# Altium PCB Z693_H93-A_KD01_V1.3_X6.PcbDoc (part 6 of 7) (continued)
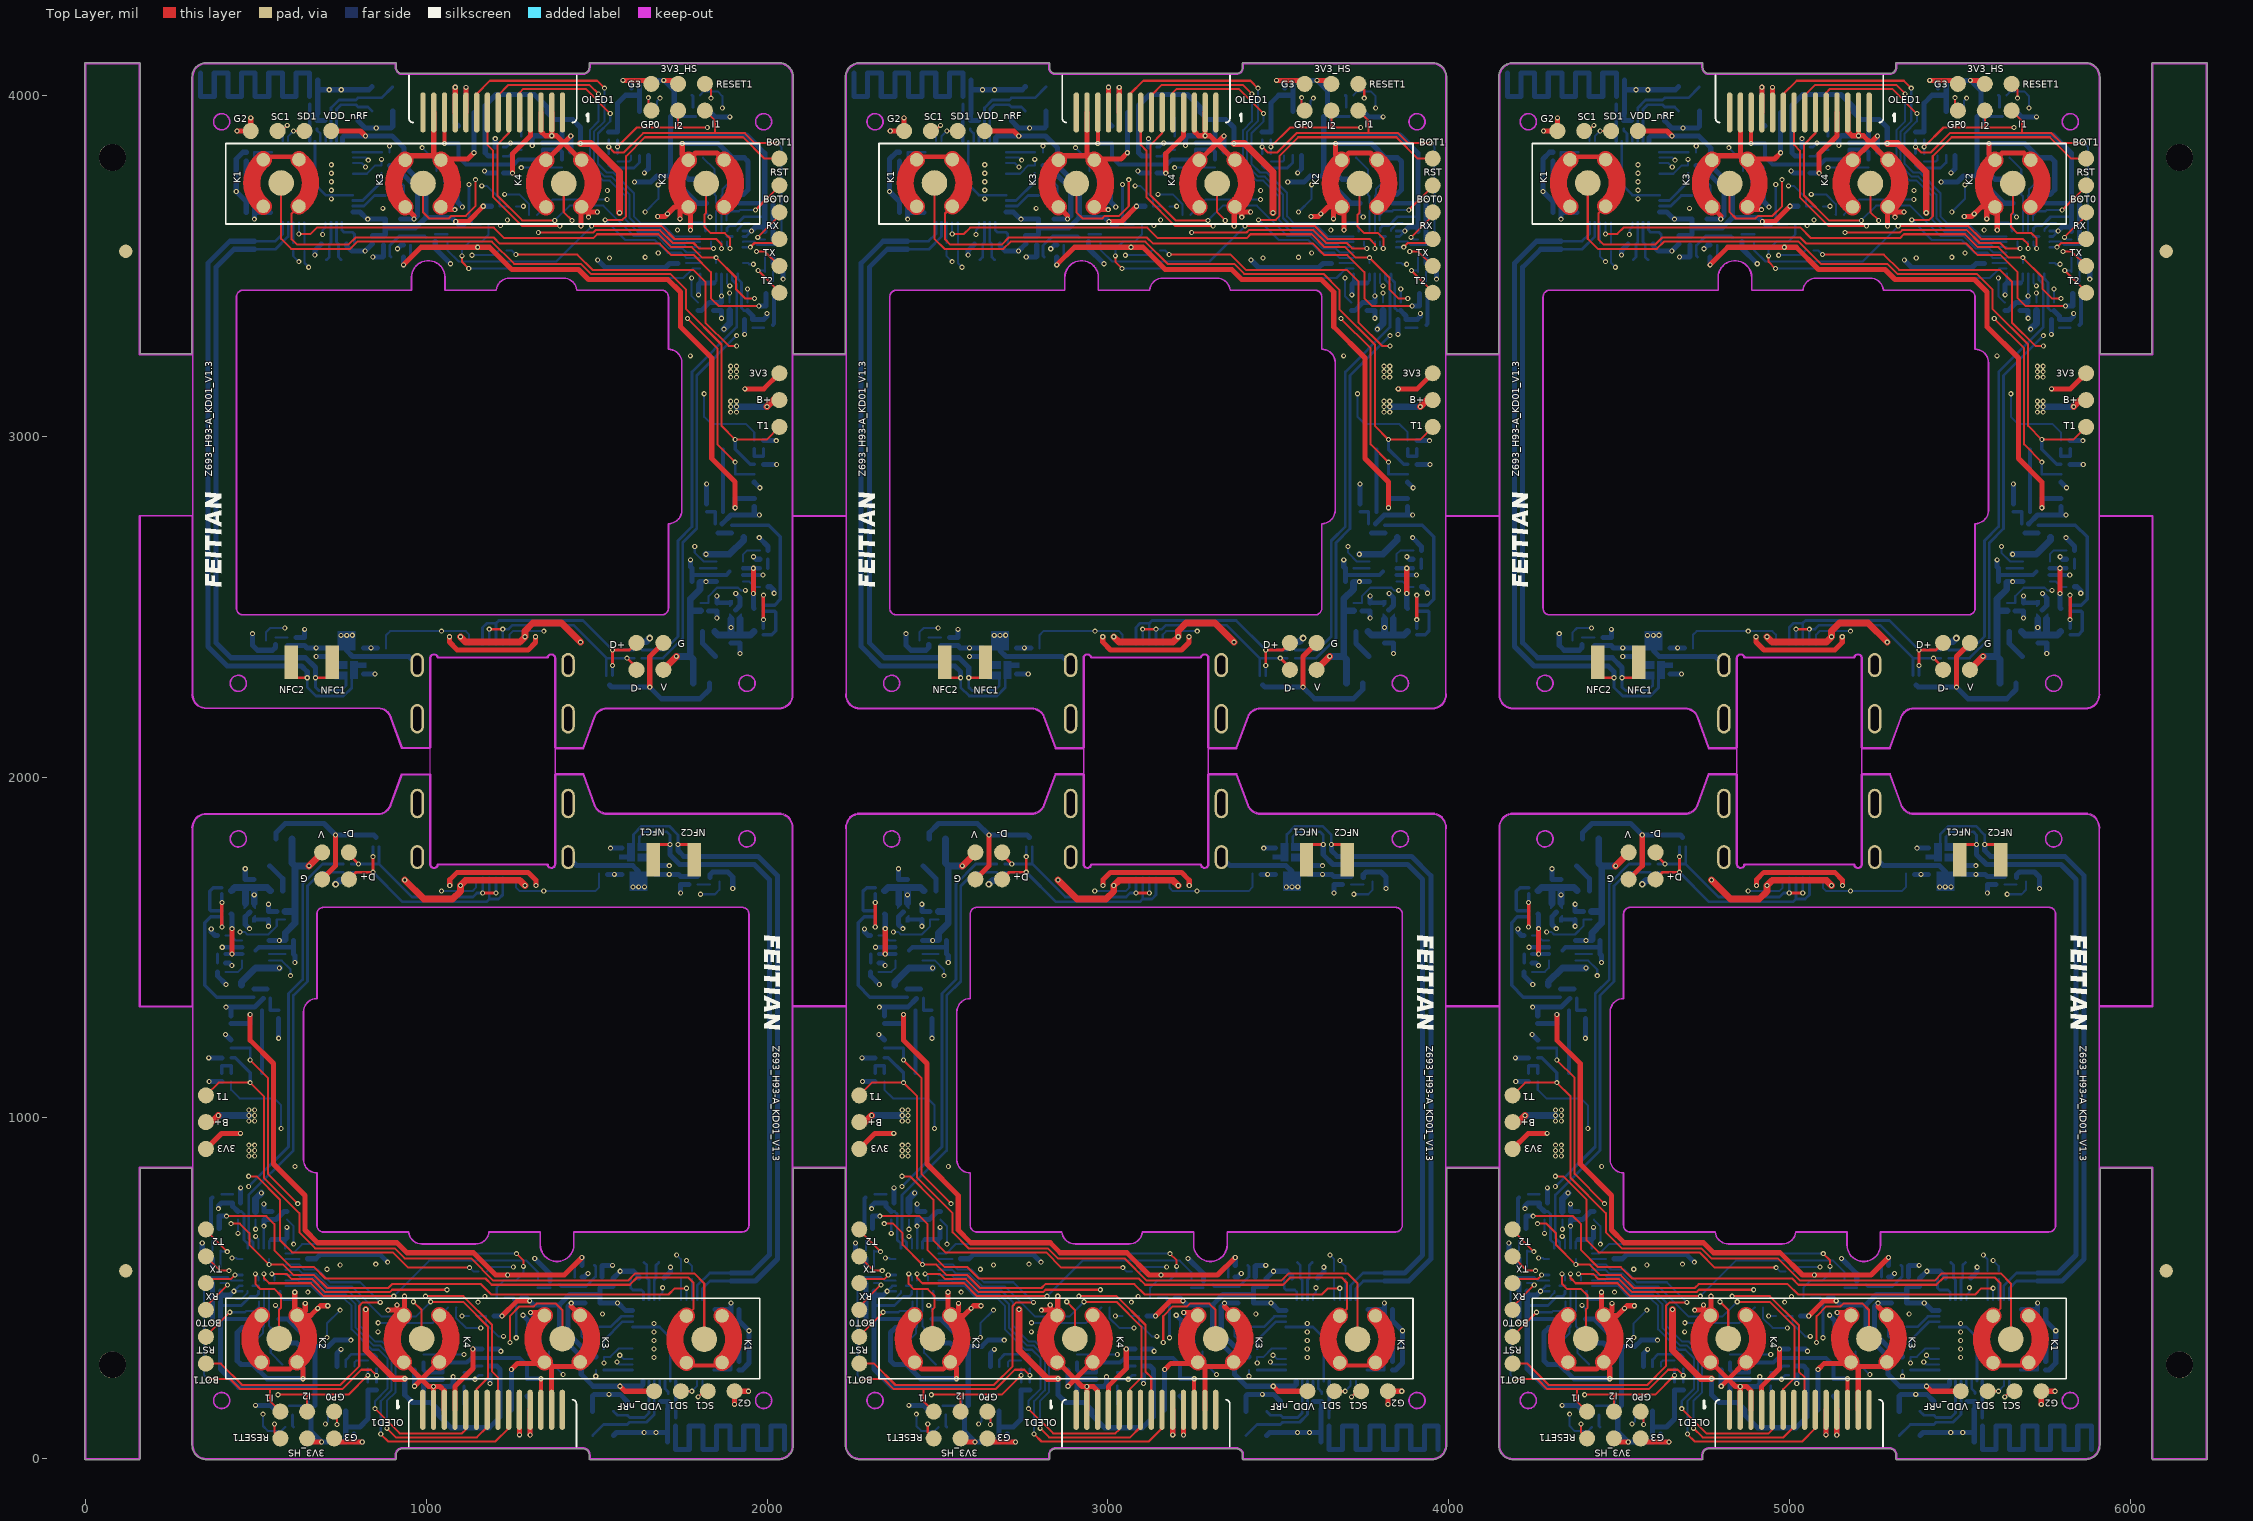
[diagram p0: Top Layer view]
## Nets (pads, with @x,y where several pads share a name; then routed paths per layer and width w, separated by ;. In a path a pad name is that pad's centre, name@x,y a point inside that pad or via, vN(x,y) a via of type N, cw(c..) or ccw(c..) an arc to the next point about the centre after c; other vN are vias at no path point) (continued)
3568.98,3824.4 ; 3589.37,1714.92 v1(3630.27,1714.92) 3657.31,1714.92 3663.96,1708.27 3688.58,1708.27 3713.66,1708.27 ; 3589.37,1766.1 3589.37,1740.51 v1(3630.27,1740.51) ; 3604.58,167.47 3627.58,167.47 3627.58,145.86 ; 3615.21,530.1 3634.13,549.02 v1(3634.13,561.88) ; 3625.58,49.1 3625.58,74.02 3625.58,77.02 ; 3625.58,145.86 3625.58,141.99 3625.58,77.02 ; v1(3632.35,1802.56) 3632.35,1772.65 3661.13,1743.88 3880.13,1743.88 3924.13,1699.88 3924.13,597.88 3871.35,545.1 3837.58,545.1 3811.58,545.1 ; 3633.73,3938.89 3633.73,3904.89 3633.73,3884.62 ; 3649.21,96.36 3649.21,74.02 3649.21,49.1 3649.21,27.56 3689.21,27.56 3689.21,96.36 3729.21,96.36 3729.21,27.56 3769.21,27.56 3769.21,96.36 3809.21,96.36 3809.21,27.56 3849.21,27.56 3849.21,96.36 3889.21,96.36 3889.21,27.56 3929.21,27.56 3929.21,96.36 3969.21,96.36 3969.21,27.56 ; v1(3656.21,1802.56) 3656.21,1784.8 3673.13,1767.88 3891.13,1767.88 3948.13,1710.88 3948.13,586.02 3883.58,521.47 3837.58,521.47 3811.58,521.47 ; v1(3663.96,1660.47) 3663.96,1684.65 3688.58,1684.65 ; v1(3692.69,2637.93) 3692.69,2617.74 3697.2,2613.24 3697.2,2573.87 ; 3715.33,3369.21 3724.49,3369.21 3748.11,3392.84 3760.24,3392.84 3783.83,3392.84 v1(3783.83,3411.93) ; v1(3716.32,3415.62) 3716.32,3446.1 3720.84,3450.62 3761.08,3450.62 ; 3720.69,3965.95 3736.95,3965.95 3764.97,3937.93 v1(3808.21,3937.93) ; 3720.82,2573.87 v1(3738.21,2573.87) 3768.46,2573.87 ; 3728.4,2427.79 3728.4,2392.5 3766.28,2354.62 ; 3739.82,3684.52 3713.83,3684.52 3633.73,3764.62 ; 3739.82,3709.9 3729.21,3720.51 3729.21,3754.9 3686.94,3754.9 3668.69,3773.14 v1(3668.69,3859.84) 3773.87,3859.84 3815.82,3817.89 3850.74,3817.89 3861.69,3806.93 3861.69,3723.93 3847.66,3709.9 3810.44,3709.9 3810.44,3684.52 ; 3740.28,2802.24 v1(3740.28,2860.62) ; 3745.83,2488.29 3770.08,2488.29 v1(3770.08,2467.32) ; 3749.9,1705.36 3749.9,1713.65 3758.13,1721.88 3802.13,1721.88 3816.72,1707.29 v1(3816.72,1673.23) ; 3760.24,3369.21 3783.83,3369.21 v1(3783.83,3346.8) ; 3764.49,437.71 3811.68,437.71 ; 3770.08,2511.91 v1(3770.08,2531.93) ; 3773.97,2716.12 3812.97,2716.12 ; 3785.61,2743.68 3811.34,2769.4 3879.83,2769.4 ; v1(3811.68,456.71) 3811.68,437.71 ; 3812.17,2394.17 3838.28,2394.17 v1(3838.28,2363.18) ; v1(3823.83,2790.93) 3823.83,2817.4 3879.83,2817.4 ; 3824.64,2490.26 3838.18,2503.8 3838.18,2526.44 v1(3825.69,2538.93) ; 3835.3,260.48 3844.64,260.48 3864.72,280.56 v1(3864.72,375.56) 3835.3,404.98 3835.3,437.71 ; 3835.3,286.1 3835.3,362.46 3811.68,386.09 3811.68,437.71 ; v1(3851.69,3299.65) 3851.69,3318.65 3851.69,3343.65 ; 3859.83,3369.21 3875.32,3353.73 3875.32,3343.65 3907.28,3343.65 ; v1(3871.83,3602.88) 3883.56,3614.62 3910.83,3614.62 ; v1(3877.27,2538.95) 3877.27,2497.54 3879.27,2495.54 ; v1(3877.69,2646.93) 3885.04,2639.58 3896.02,2639.58 ; 3879.83,2794.4 3879.83,2769.4 ; 3879.83,2865.77 v1(3896.18,2849.42) ; v1(3893.28,3382.62) 3914.66,3382.62 3914.66,3419.14 ; v1(3894.69,2702.93) 3920.2,2677.43 3920.2,2665.92 ; v1(3894.83,2769.4) 3879.83,2769.4 ; 3907.06,2917.96 v1(3945.57,2917.96) ; 3907.06,2987.62 v1(3944.28,2987.62) ; 3908.35,3343.65 3917.32,3352.62 v1(3917.32,3360.62) ; 3910.83,3602.14 3910.83,3614.62 ; 3920.2,2558.87 3927.26,2558.87 3938.19,2547.93 v1(3938.19,2539.93) ; 3934.45,3531.49 3934.45,3507.4 3949.78,3507.4 3964.57,3492.62 v1(3964.57,3461.62) ; 3934.45,3578.4 3934.45,3602.14 3934.45,3625.4 3934.45,3649.4 v1(3934.45,3692.18) ; 4172.53,4066.93 4172.53,3998.13 4212.53,3998.13 4212.53,4066.93 4252.53,4066.93 4252.53,3998.13 4292.53,3998.13 4292.53,4066.93 4332.53,4066.93 4332.53,3998.13 4372.53,3998.13 4372.53,4066.93 4412.53,4066.93 4412.53,3998.13 4452.53,3998.13 4452.53,4066.93 4492.53,4066.93 4492.53,4045.4 4492.53,4020.47 4492.53,3998.13 ; v1(4177.17,632.88) 4177.17,601.88 4191.95,587.09 4207.29,587.09 4207.29,563 ; v1(4196.17,1176.53) 4234.67,1176.53 ; v1(4197.45,1106.88) 4234.67,1106.88 ; v1(4203.54,1554.56) 4203.54,1546.56 4214.48,1535.62 4221.54,1535.62 ; v1(4207.29,402.32) 4207.29,445.1 4207.29,469.1 4207.29,492.36 4207.29,516.1 ; 4221.54,1428.57 4221.54,1417.06 v1(4247.04,1391.56) ; v1(4224.42,733.88) 4224.42,741.88 4233.39,750.84 ; 4227.07,675.35 4227.07,711.88 v1(4248.45,711.88) ; 4230.91,492.36 4230.91,479.88 ; 4234.45,750.84 4266.42,750.84 4266.42,740.76 4281.91,725.28 ; v1(4245.55,1245.07) 4261.91,1228.72 ; 4245.72,1454.91 4256.69,1454.91 v1(4264.04,1447.56) ; v1(4246.91,1325.09) 4261.91,1325.09 ; 4261.91,1277.1 4317.91,1277.1 v1(4317.91,1303.56) ; 4261.91,1300.1 4261.91,1325.09 ; 4262.47,1598.95 4264.47,1596.95 v1(4264.47,1555.54) ; v1(4269.91,491.61) 4258.18,479.88 4230.91,479.88 ; 4290.04,750.84 4290.04,775.84 v1(4290.04,794.84) ; v1(4303.45,1731.31) 4303.45,1700.32 4329.57,1700.32 ; 4306.44,3656.78 4306.44,3689.51 v1(4277.02,3718.93) 4277.02,3813.93 4297.1,3834.01 4306.44,3834.01 ; 4306.44,3808.4 4306.44,3732.03 4330.06,3708.4 4330.06,3656.78 ; v1(4316.04,1555.56) 4303.55,1568.05 4303.55,1590.69 4317.1,1604.23 ; v1(4325.02,2421.26) 4325.02,2387.21 4339.61,2372.62 4383.61,2372.62 4391.84,2380.84 4391.84,2389.13 ; 4328.77,1378.37 4367.77,1378.37 ; v1(4330.06,3637.78) 4330.06,3656.78 ; 4330.15,3549.4 4304.15,3549.4 4270.39,3549.4 4217.61,3496.62 4217.61,2394.62 4261.61,2350.62 4480.61,2350.62 4509.39,2321.84 v1(4509.39,2291.93) ; 4330.15,3573.02 4304.15,3573.02 4258.15,3573.02 4193.61,3508.47 4193.61,2383.62 4250.61,2326.62 4468.61,2326.62 4485.53,2309.69 v1(4485.53,2291.93) ; 4331.29,409.97 4331.29,384.59 4294.07,384.59 4280.04,370.56 4280.04,287.56 4291,276.6 4325.92,276.6 4367.87,234.65 v1(4473.04,234.65) 4473.04,321.35 4454.8,339.59 4412.53,339.59 4412.53,373.98 4401.92,384.59 ; v1(4333.53,156.56) 4376.77,156.56 4404.79,128.54 4421.05,128.54 ; 4356.13,1350.81 4330.4,1325.09 4261.91,1325.09 ; v1(4357.91,682.56) 4357.91,701.65 4381.5,701.65 4393.63,701.65 4417.25,725.28 4426.4,725.28 ; v1(4357.91,747.69) 4357.91,725.28 4381.5,725.28 ; v1(4371.66,1562.56) 4371.66,1582.58 ; v1(4371.66,1627.17) 4371.66,1606.2 4395.91,1606.2 ; 4373.28,1520.62 v1(4403.53,1520.62) 4420.92,1520.62 ; 4375.45,1739.88 4413.34,1701.99 4413.34,1666.7 ; 4377.25,3656.78 4330.06,3656.78 ; 4380.66,643.88 4420.9,643.88 4425.42,648.4 v1(4425.42,678.88) ; 4393.45,1818.88 4393.45,1836.88 4420.75,1864.17 4534.59,1864.17 v1(4568.53,1830.24) 4680.47,1830.24 4687.05,1823.65 ; v1(4401.45,1233.88) 4401.45,1292.25 ; 4401.92,409.97 4427.91,409.97 4508,329.87 ; 4428.07,2386.22 4453.15,2386.22 4477.77,2386.22 4484.43,2379.57 v1(4511.47,2379.57) 4552.37,2379.57 ; 4444.54,1520.62 4444.54,1481.25 4449.04,1476.75 v1(4449.04,1456.56) ; 4453.15,2409.84 4477.77,2409.84 v1(4477.77,2434.02) ; 4485.9,586.85 4510.42,586.85 4522.45,598.88 4699.42,598.88 v1(4721.42,576.88) ; 4496.62,128.04 4496.62,80.28 v1(4527.56,49.34) 4598.77,49.34 ; v1(4507.61,3532.62) 4507.61,3545.47 4526.53,3564.4 ; 4508,155.6 4508,189.6 4508,209.88 ; v1(4511.47,2353.98) 4552.37,2353.98 4552.37,2328.39 ; 4514.15,3948.63 4514.15,3927.02 4537.15,3927.02 ; 4516.15,3948.63 4516.15,3952.51 4516.15,4017.47 ; 4516.15,4045.4 4516.15,4020.47 4516.15,4017.47 ; 4572.76,270.1 4572.76,309.18 v1(4584.45,320.88) ; 4588.52,3866.49 4588.52,3876.92 4593.53,3881.93 v1(4656.03,3881.93) 4731.53,3881.93 4734.53,3881.93 4769.53,3846.93 4769.53,3795.4 ; 4598.5,49.61 4598.5,93.1 ; 4598.5,140.17 4598.5,93.1 ; 4600.77,3564.4 4600.77,3559.91 4616.48,3544.2 4624.15,3544.2 v1(4655.42,3544.2) 4676.53,3565.31 ; 4601.18,2371.3 4618.51,2353.98 4650,2353.98 4716.95,2353.98 4717.15,2353.77 4783.55,2353.77 4808.21,2329.12 ; v1(4613.42,347.88) 4565.45,347.88 4547.45,329.87 4508,329.87 ; 4619.25,3659.03 4640.18,3659.03 v1@4661.42,3637.78 ; 4622.39,72.1 4622.39,49.34 v1(4646.78,49.34) ; 4634.64,3943.23 4634.64,3926.31 4655.4,3905.55 4731.53,3905.55 4736.2,3910.23 4736.2,3955.39 ; 4650,2302.8 v1(4683.88,2302.8) ; 4650,2379.57 v1(4672.53,2379.57) 4692,2379.57 ; v1(4662.92,3637.78) 4714.25,3637.78 4714.25,3612.62 ; 4675.09,4026.32 4666.24,4017.47 4634.64,4017.47 4516.15,4017.47 ; 4676.53,3588.93 4709.93,3588.93 4714.25,3593.25 4714.25,3612.62 ; v1(4677.95,3526.95) 4707.25,3526.95 4708.98,3528.68 4708.98,3561.4 ; 4688.72,201.1 4663.13,201.1 4663.13,116.32 4639.91,93.1 4598.5,93.1 ; 4726.94,3771.4 4763.83,3771.4 4808.61,3726.62 4808.61,3647.52 v1(4798.97,3637.88) 4759.45,3637.88 ; 4726.94,3795.4 4769.53,3795.4 ; v1(4750.02,3550.93) 4760.48,3561.4 4767.65,3561.4 ; v1(4767.75,3503.71) 4767.75,3526.95 ; v1(4771.45,234.65) 4771.45,187.88 4794.45,164.88 4826.54,164.88 ; v1(4800.45,212.71) 4800.45,259.78 ; 4826.54,229.08 4826.54,233.1 ; v1(4856.03,212.1) 4906.07,212.1 4913.91,219.94 4913.91,233.1 ; 4861.15,3572.4 4861.15,3551.8 v1(4906.02,3506.93) ; 4882.41,233.1 4826.54,233.1 ; 4891.61,3769.91 4891.61,3749.03 4901.08,3739.56 4901.08,3683.15 v1(4918.61,3665.62) ; v1(4919.57,4024.89) 4919.57,3920.58 4929.33,3910.82 ; 4925.08,3764.94 4925.08,3739.94 4924.7,3739.56 4924.7,3689.52 v1(4940.61,3673.62) ; 4944.53,3622.48 4929.75,3622.48 v1(4921.11,3631.12) 4909.41,3642.82 4833.61,3642.82 ; 4951.07,3950.93 v1(4951.07,4024.47) ; v1(4971.45,321.88) 4997.45,321.88 ; v1(4974.69,3832.62) 4974.69,3950.93 ; v1(5001.91,3675.48) 5025.91,3675.48 ; v1(5005.61,3779.12) 5012.11,3772.62 5037.99,3772.62 ; 5021.07,321.88 5046.95,321.88 v1(5053.45,315.38) ; v1(5021.9,220.56) 5021.9,245.1 ; 5021.9,271.78 5041.55,271.78 5051.45,261.88 5051.45,122.88 5019.45,90.88 4907.45,90.88 4870.45,127.88 4870.45,142.88 4848.45,164.88 4826.54,164.88 ; 5033.15,419.01 v1(5057.15,419.01) ; 5037.16,3822.71 5017.51,3822.71 5007.61,3832.62 5007.61,3971.62 5039.61,4003.62 5151.61,4003.62 5188.61,3966.62 5188.61,3951.62 5210.61,3929.62 5232.52,3929.62 ; 5037.16,3849.4 v1(5037.16,3873.93) ; 5061.61,3772.62 v1(5087.61,3772.62) ; 5084.37,143.56 v1(5084.37,261.88) ; v1(5107.99,70.02) 5107.99,143.56 ; 5114.53,472.01 5129.31,472.01 v1(5137.95,463.37) 5149.65,451.67 5225.45,451.67 ; v1(5118.45,420.88) 5134.36,404.97 5134.36,354.93 5133.98,354.55 5133.98,329.55 ; 5129.73,183.67 5139.49,173.91 v1(5139.49,69.6) ; v1(5140.45,428.88) 5157.98,411.34 5157.98,354.93 5167.45,345.46 5167.45,324.58 ; 5145.15,3861.4 5145.15,3874.55 5152.99,3882.4 v1(5203.03,3882.4) ; v1(5153.04,587.56) 5197.91,542.69 5197.91,522.1 ; 5176.65,3861.4 5232.52,3861.4 ; 5232.52,3865.41 5232.52,3861.4 ; 5250.85,1765.37 5275.51,1740.72 5341.91,1740.72 5342.11,1740.51 5409.06,1740.51 5440.55,1740.51 5457.88,1723.19 ; 5258.61,3834.71 v1(5258.61,3881.78) ; v1(5287.61,3859.84) 5287.61,3906.62 5264.61,3929.62 5232.52,3929.62 ; 5291.31,567.54 v1(5291.31,590.78) ; 5291.41,533.1 5298.58,533.1 v1(5309.04,543.56) ; 5299.61,456.61 v1(5260.09,456.61) 5250.45,446.97 5250.45,367.87 5295.23,323.1 5332.12,323.1 ; 5322.86,139.1 5322.86,184.26 5327.53,188.94 5403.66,188.94 5424.42,168.18 5424.42,151.26 ; 5332.12,299.1 5289.53,299.1 ; v1(5337.64,3517.62) 5359.64,3495.62 5536.61,3495.62 5548.64,3507.64 5573.16,3507.64 ; 5350.08,533.1 5350.08,565.81 5351.81,567.54 v1(5381.11,567.54) ; 5367.06,1714.92 v1(5386.53,1714.92) 5409.06,1714.92 ; 5370.34,3893.4 5395.93,3893.4 5395.93,3978.17 5419.15,4001.4 5460.56,4001.4 ; 5372.01,2270.84 5378.59,2264.25 v1(5490.53,2264.25) 5524.47,2230.32 5638.31,2230.32 5665.61,2257.62 5665.61,2275.62 ; v1(5375.18,1791.69) 5409.06,1791.69 ; 5382.53,505.56 5349.13,505.56 5344.81,501.24 5344.81,481.88 ; 5382.53,529.18 v1(5403.64,550.29) 5434.91,550.29 5442.58,550.29 5458.29,534.58 5458.29,530.1 ; 5383.97,68.17 5392.82,77.02 5424.42,77.02 5542.91,77.02 ; v1(5396.14,456.71) 5344.81,456.71 5344.81,481.88 ; v1@5397.64,456.71 5418.88,435.46 5439.81,435.46 ; v1(5412.28,4045.15) 5436.67,4045.15 5436.67,4022.4 ; v1(5445.64,3746.62) 5493.61,3746.62 5511.61,3764.62 5551.06,3764.62 ; 5460.3,4045.15 v1(5531.5,4045.15) 5562.44,4014.21 5562.44,3966.45 ; 5460.56,3954.32 5460.56,4001.4 ; 5460.56,4044.88 5460.56,4001.4 ; 5470.54,228 5470.54,217.57 5465.53,212.56 v1(5403.03,212.56) 5327.53,212.56 5324.53,212.56 5289.53,247.56 5289.53,299.1 ; v1(5474.61,3773.62) 5486.3,3785.31 5486.3,3824.4 ; 5506.7,1714.92 v1(5547.59,1714.92) 5574.63,1714.92 5581.29,1708.27 5605.91,1708.27 5630.99,1708.27 ; 5506.7,1766.1 5506.7,1740.51 v1(5547.59,1740.51) ; 5521.91,167.47 5544.91,167.47 5544.91,145.86 ; 5532.53,530.1 5551.45,549.02 v1(5551.45,561.88) ; 5542.91,49.1 5542.91,74.02 5542.91,77.02 ; 5542.91,145.86 5542.91,141.99 5542.91,77.02 ; v1(5549.67,1802.56) 5549.67,1772.65 5578.45,1743.88 5797.45,1743.88 5841.45,1699.88 5841.45,597.88 5788.67,545.1 5754.91,545.1 5728.91,545.1 ; 5551.06,3938.89 5551.06,3904.89 5551.06,3884.62 ; 5566.53,96.36 5566.53,74.02 5566.53,49.1 5566.53,27.56 5606.53,27.56 5606.53,96.36 5646.53,96.36 5646.53,27.56 5686.53,27.56 5686.53,96.36 5726.53,96.36 5726.53,27.56 5766.53,27.56 5766.53,96.36 5806.53,96.36 5806.53,27.56 5846.53,27.56 5846.53,96.36 5886.53,96.36 5886.53,27.56 ; v1(5573.53,1802.56) 5573.53,1784.8 5590.45,1767.88 5808.45,1767.88 5865.45,1710.88 5865.45,586.02 5800.91,521.47 5754.91,521.47 5728.91,521.47 ; v1(5581.29,1660.47) 5581.29,1684.65 5605.91,1684.65 ; v1(5610.02,2637.93) 5610.02,2617.74 5614.52,2613.24 5614.52,2573.87 ; 5632.66,3369.21 5641.81,3369.21 5665.44,3392.84 5677.56,3392.84 5701.15,3392.84 v1(5701.15,3411.93) ; v1(5633.64,3415.62) 5633.64,3446.1 5638.16,3450.62 5678.4,3450.62 ; 5638.01,3965.95 5654.27,3965.95 5682.29,3937.93 v1(5725.53,3937.93) ; 5638.14,2573.87 v1(5655.53,2573.87) 5685.78,2573.87 ; 5645.72,2427.79 5645.72,2392.5 5683.61,2354.62 ; 5657.14,3684.52 5631.15,3684.52 5551.06,3764.62 ; 5657.14,3709.9 5646.53,3720.51 5646.53,3754.9 5604.26,3754.9 5586.02,3773.14 v1(5586.02,3859.84) 5691.19,3859.84 5733.14,3817.89 5768.06,3817.89 5779.02,3806.93 5779.02,3723.93 5764.99,3709.9 5727.77,3709.9 5727.77,3684.52 ; 5657.61,2802.24 v1(5657.61,2860.62) ; 5663.15,2488.29 5687.4,2488.29 v1(5687.4,2467.32) ; 5667.22,1705.36 5667.22,1713.65 5675.45,1721.88 5719.45,1721.88 5734.04,1707.29 v1(5734.04,1673.23) ; 5677.56,3369.21 5701.15,3369.21 v1(5701.15,3346.8) ; 5681.81,437.71 5729,437.71 ; 5687.4,2511.91 v1(5687.4,2531.93) ; 5691.29,2716.12 5730.29,2716.12 ; 5702.93,2743.68 5728.66,2769.4 5797.15,2769.4 ; v1(5729,456.71) 5729,437.71 ; 5729.49,2394.17 5755.61,2394.17 v1(5755.61,2363.18) ; v1(5741.15,2790.93) 5741.15,2817.4 5797.15,2817.4 ; 5741.96,2490.26 5755.51,2503.8 5755.51,2526.44 v1(5743.02,2538.93) ; 5752.62,260.48 5761.96,260.48 5782.04,280.56 v1(5782.04,375.56) 5752.62,404.98 5752.62,437.71 ; 5752.62,286.1 5752.62,362.46 5729,386.09 5729,437.71 ; v1(5769.02,3299.65) 5769.02,3318.65 5769.02,3343.65 ; 5777.15,3369.21 5792.64,3353.73 5792.64,3343.65 5824.61,3343.65 ; v1(5789.15,3602.88) 5800.88,3614.62 5828.15,3614.62 ; v1(5794.59,2538.95) 5794.59,2497.54 5796.59,2495.54 ; v1(5795.02,2646.93) 5802.37,2639.58 5813.34,2639.58 ; 5797.15,2794.4 5797.15,2769.4 ; 5797.15,2865.77 v1(5813.51,2849.42) ; v1(5810.61,3382.62) 5831.99,3382.62 5831.99,3419.14 ; v1(5812.02,2702.93) 5837.52,2677.43 5837.52,2665.92 ; v1(5812.15,2769.4) 5797.15,2769.4 ; 5824.39,2917.96 v1(5862.89,2917.96) ; 5824.39,2987.62 v1(5861.61,2987.62) ; 5825.67,3343.65 5834.64,3352.62 v1(5834.64,3360.62) ; 5828.15,3602.14 5828.15,3614.62 ; 5837.52,2558.87 5844.58,2558.87 5855.52,2547.93 v1(5855.52,2539.93) ; 5851.77,3531.49 5851.77,3507.4 5867.11,3507.4 5881.89,3492.62 v1(5881.89,3461.62) ; 5851.77,3578.4 5851.77,3602.14 5851.77,3625.4 5851.77,3649.4 v1(5851.77,3692.18) ; 396.26,479.88 396.26,469.1 396.26,449.69 396.26,445.1 396.26,421.81 396.26,409.97 396.26,263.42 449.8,209.88 673.35,209.88 ; 673.35,209.88 673.35,329.87 ; 879.6,3612.62 968.75,3612.62 998.96,3642.82 ; 934.88,3795.4 998.96,3731.32 998.96,3642.82 ; 991.89,164.88 991.89,233.1 ; 1390.8,451.67 1390.8,363.17 1454.88,299.1 ; 1390.8,451.67 1421.01,481.88 1510.17,481.88 ; 1397.87,3861.4 1397.87,3929.62 ; 1716.41,3764.62 1716.41,3884.62 ; 1716.41,3884.62 1939.96,3884.62 1993.5,3831.07 1993.5,3684.52 1993.5,3672.68 1993.5,3649.4 1993.5,3644.8 1993.5,3625.4 1993.5,3614.62 ; 2313.58,479.88 2313.58,469.1 2313.58,449.69 2313.58,445.1 2313.58,421.81 2313.58,409.97 2313.58,263.42 2367.13,209.88 2590.68,209.88 ; 2590.68,209.88 2590.68,329.87 ; 2796.92,3612.62 2886.08,3612.62 2916.28,3642.82 ; 2852.21,3795.4 2916.28,3731.32 2916.28,3642.82 ; 2909.21,164.88 2909.21,233.1 ; 3308.13,451.67 3308.13,363.17 3372.21,299.1 ; 3308.13,451.67 3338.34,481.88 3427.49,481.88 ; 3315.2,3861.4 3315.2,3929.62 ; 3633.73,3764.62 3633.73,3884.62 ; 3633.73,3884.62 3857.28,3884.62 3910.83,3831.07 3910.83,3684.52 3910.83,3672.68 3910.83,3649.4 3910.83,3644.8 3910.83,3625.4 3910.83,3614.62 ; 4230.91,479.88 4230.91,469.1 4230.91,449.69 4230.91,445.1 4230.91,421.81 4230.91,409.97 4230.91,263.42 4284.45,209.88 4508,209.88 ; 4508,209.88 4508,329.87 ; 4714.25,3612.62 4803.4,3612.62 4833.61,3642.82 ; 4769.53,3795.4 4833.61,3731.32 4833.61,3642.82 ; 4826.54,164.88 4826.54,233.1 ; 5225.45,451.67 5225.45,363.17 5289.53,299.1 ; 5225.45,451.67 5255.66,481.88 5344.81,481.88 ; 5232.52,3861.4 5232.52,3929.62 ; 5551.06,3764.62 5551.06,3884.62 ; 5551.06,3884.62 5774.61,3884.62 5828.15,3831.07 5828.15,3684.52 5828.15,3672.68 5828.15,3649.4 5828.15,3644.8 5828.15,3625.4 5828.15,3614.62
  Bottom Layer w20: v1(389.8,1007.06) v1(479.39,1007.06) ; 427.82,1666.7 437.82,1676.7 468.8,1676.7 469.14,1676.7 ; 457.79,1390.06 457.79,1398.46 499.42,1440.1 v1(568.88,1440.1) ; 469.14,1629.56 469.14,1676.7 ; 494.92,1676.7 469.14,1676.7 ; 495.13,1630.12 v1(495.13,1654.88) 495.13,1676.7 533.26,1676.7 543.26,1666.7 ; 499.26,725.28 499.26,762.94 v1(516,779.68) ; 585.26,1606.2 614.8,1606.2 ; 586.17,1523.39 586.17,1543.01 614.8,1571.64 614.8,1606.2 ; 606.03,1818.88 606.03,1748.65 614.8,1739.88 ; v1(655.8,1739.88) 614.8,1739.88 ; v3(733.98,1686.1) 744.98,1697.1 756.64,1697.1 ; 1633.13,2397.4 1644.79,2397.4 v3(1655.79,2408.4) ; v1(1733.96,2354.62) 1774.96,2354.62 ; 1783.73,2275.62 1783.73,2345.84 1774.96,2354.62 ; 1803.59,2571.1 1803.59,2551.48 1774.96,2522.85 1774.96,2488.29 ; 1804.5,2488.29 1774.96,2488.29 ; v1(1820.88,2654.4) 1890.35,2654.4 1931.98,2696.03 1931.98,2704.43 ; 1846.5,2427.79 1856.5,2417.79 1894.64,2417.79 v1(1894.64,2439.62) 1894.64,2464.37 ; v1(1873.77,3314.82) 1890.5,3331.55 1890.5,3369.21 ; 1894.84,2417.79 1920.62,2417.79 ; v1(1910.37,3087.43) v1(1999.96,3087.43) ; 1920.62,2464.93 1920.62,2417.79 ; 1961.95,2427.79 1951.95,2417.79 1920.96,2417.79 1920.62,2417.79 ; v1(2307.13,1007.06) v1(2396.72,1007.06) ; 2345.14,1666.7 2355.14,1676.7 2386.13,1676.7 2386.47,1676.7 ; 2375.11,1390.06 2375.11,1398.46 2416.74,1440.1 v1(2486.21,1440.1) ; 2386.47,1629.56 2386.47,1676.7 ; 2412.25,1676.7 2386.47,1676.7 ; 2412.45,1630.12 v1(2412.45,1654.88) 2412.45,1676.7 2450.58,1676.7 2460.58,1666.7 ; 2416.58,725.28 2416.58,762.94 v1(2433.32,779.68) ; 2502.58,1606.2 2532.13,1606.2 ; 2503.5,1523.39 2503.5,1543.01 2532.13,1571.64 2532.13,1606.2 ; 2523.36,1818.88 2523.36,1748.65 2532.13,1739.88 ; v1(2573.13,1739.88) 2532.13,1739.88 ; v3(2651.3,1686.1) 2662.3,1697.1 2673.96,1697.1 ; 3550.45,2397.4 3562.11,2397.4 v3(3573.11,2408.4) ; v1(3651.28,2354.62) 3692.28,2354.62 ; 3701.06,2275.62 3701.06,2345.84 3692.28,2354.62 ; 3720.92,2571.1 3720.92,2551.48 3692.28,2522.85 3692.28,2488.29 ; 3721.83,2488.29 3692.28,2488.29 ; v1(3738.21,2654.4) 3807.67,2654.4 3849.3,2696.03 3849.3,2704.43 ; 3763.83,2427.79 3773.83,2417.79 3811.96,2417.79 v1(3811.96,2439.62) 3811.96,2464.37 ; v1(3791.09,3314.82) 3807.83,3331.55 3807.83,3369.21 ; 3812.17,2417.79 3837.95,2417.79 ; v1(3827.69,3087.43) v1(3917.28,3087.43) ; 3837.95,2464.93 3837.95,2417.79 ; 3879.27,2427.79 3869.27,2417.79 3838.28,2417.79 3837.95,2417.79 ; v1(4224.45,1007.06) v1(4314.04,1007.06) ; 4262.47,1666.7 4272.47,1676.7 4303.45,1676.7 4303.79,1676.7 ; 4292.44,1390.06 4292.44,1398.46 4334.07,1440.1 v1(4403.53,1440.1) ; 4303.79,1629.56 4303.79,1676.7 ; 4329.57,1676.7 4303.79,1676.7 ; 4329.77,1630.12 v1(4329.77,1654.88) 4329.77,1676.7 4367.91,1676.7 4377.91,1666.7 ; 4333.91,725.28 4333.91,762.94 v1(4350.65,779.68) ; 4419.91,1606.2 4449.45,1606.2 ; 4420.82,1523.39 4420.82,1543.01 4449.45,1571.64 4449.45,1606.2 ; 4440.68,1818.88 4440.68,1748.65 4449.45,1739.88 ; v1(4490.45,1739.88) 4449.45,1739.88 ; v3(4568.62,1686.1) 4579.62,1697.1 4591.29,1697.1 ; 5467.77,2397.4 5479.44,2397.4 v3(5490.44,2408.4) ; v1(5568.61,2354.62) 5609.61,2354.62 ; 5618.38,2275.62 5618.38,2345.84 5609.61,2354.62 ; 5638.24,2571.1 5638.24,2551.48 5609.61,2522.85 5609.61,2488.29 ; 5639.15,2488.29 5609.61,2488.29 ; v1(5655.53,2654.4) 5724.99,2654.4 5766.62,2696.03 5766.62,2704.43 ; 5681.15,2427.79 5691.15,2417.79 5729.29,2417.79 v1(5729.29,2439.62) 5729.29,2464.37 ; v1(5708.41,3314.82) 5725.15,3331.55 5725.15,3369.21 ; 5729.49,2417.79 5755.27,2417.79 ; v1(5745.02,3087.43) v1(5834.61,3087.43) ; 5755.27,2464.93 5755.27,2417.79 ; 5796.59,2427.79 5786.59,2417.79 5755.61,2417.79 5755.27,2417.79 ; 614.8,1606.2 614.8,1739.88 ; 1774.96,2354.62 1774.96,2488.29 ; 2532.13,1606.2 2532.13,1739.88 ; 3692.28,2354.62 3692.28,2488.29 ; 4449.45,1606.2 4449.45,1739.88 ; 5609.61,2354.62 5609.61,2488.29